# Allegro board C112P01-T2-ZDS-A03.brd (continued)
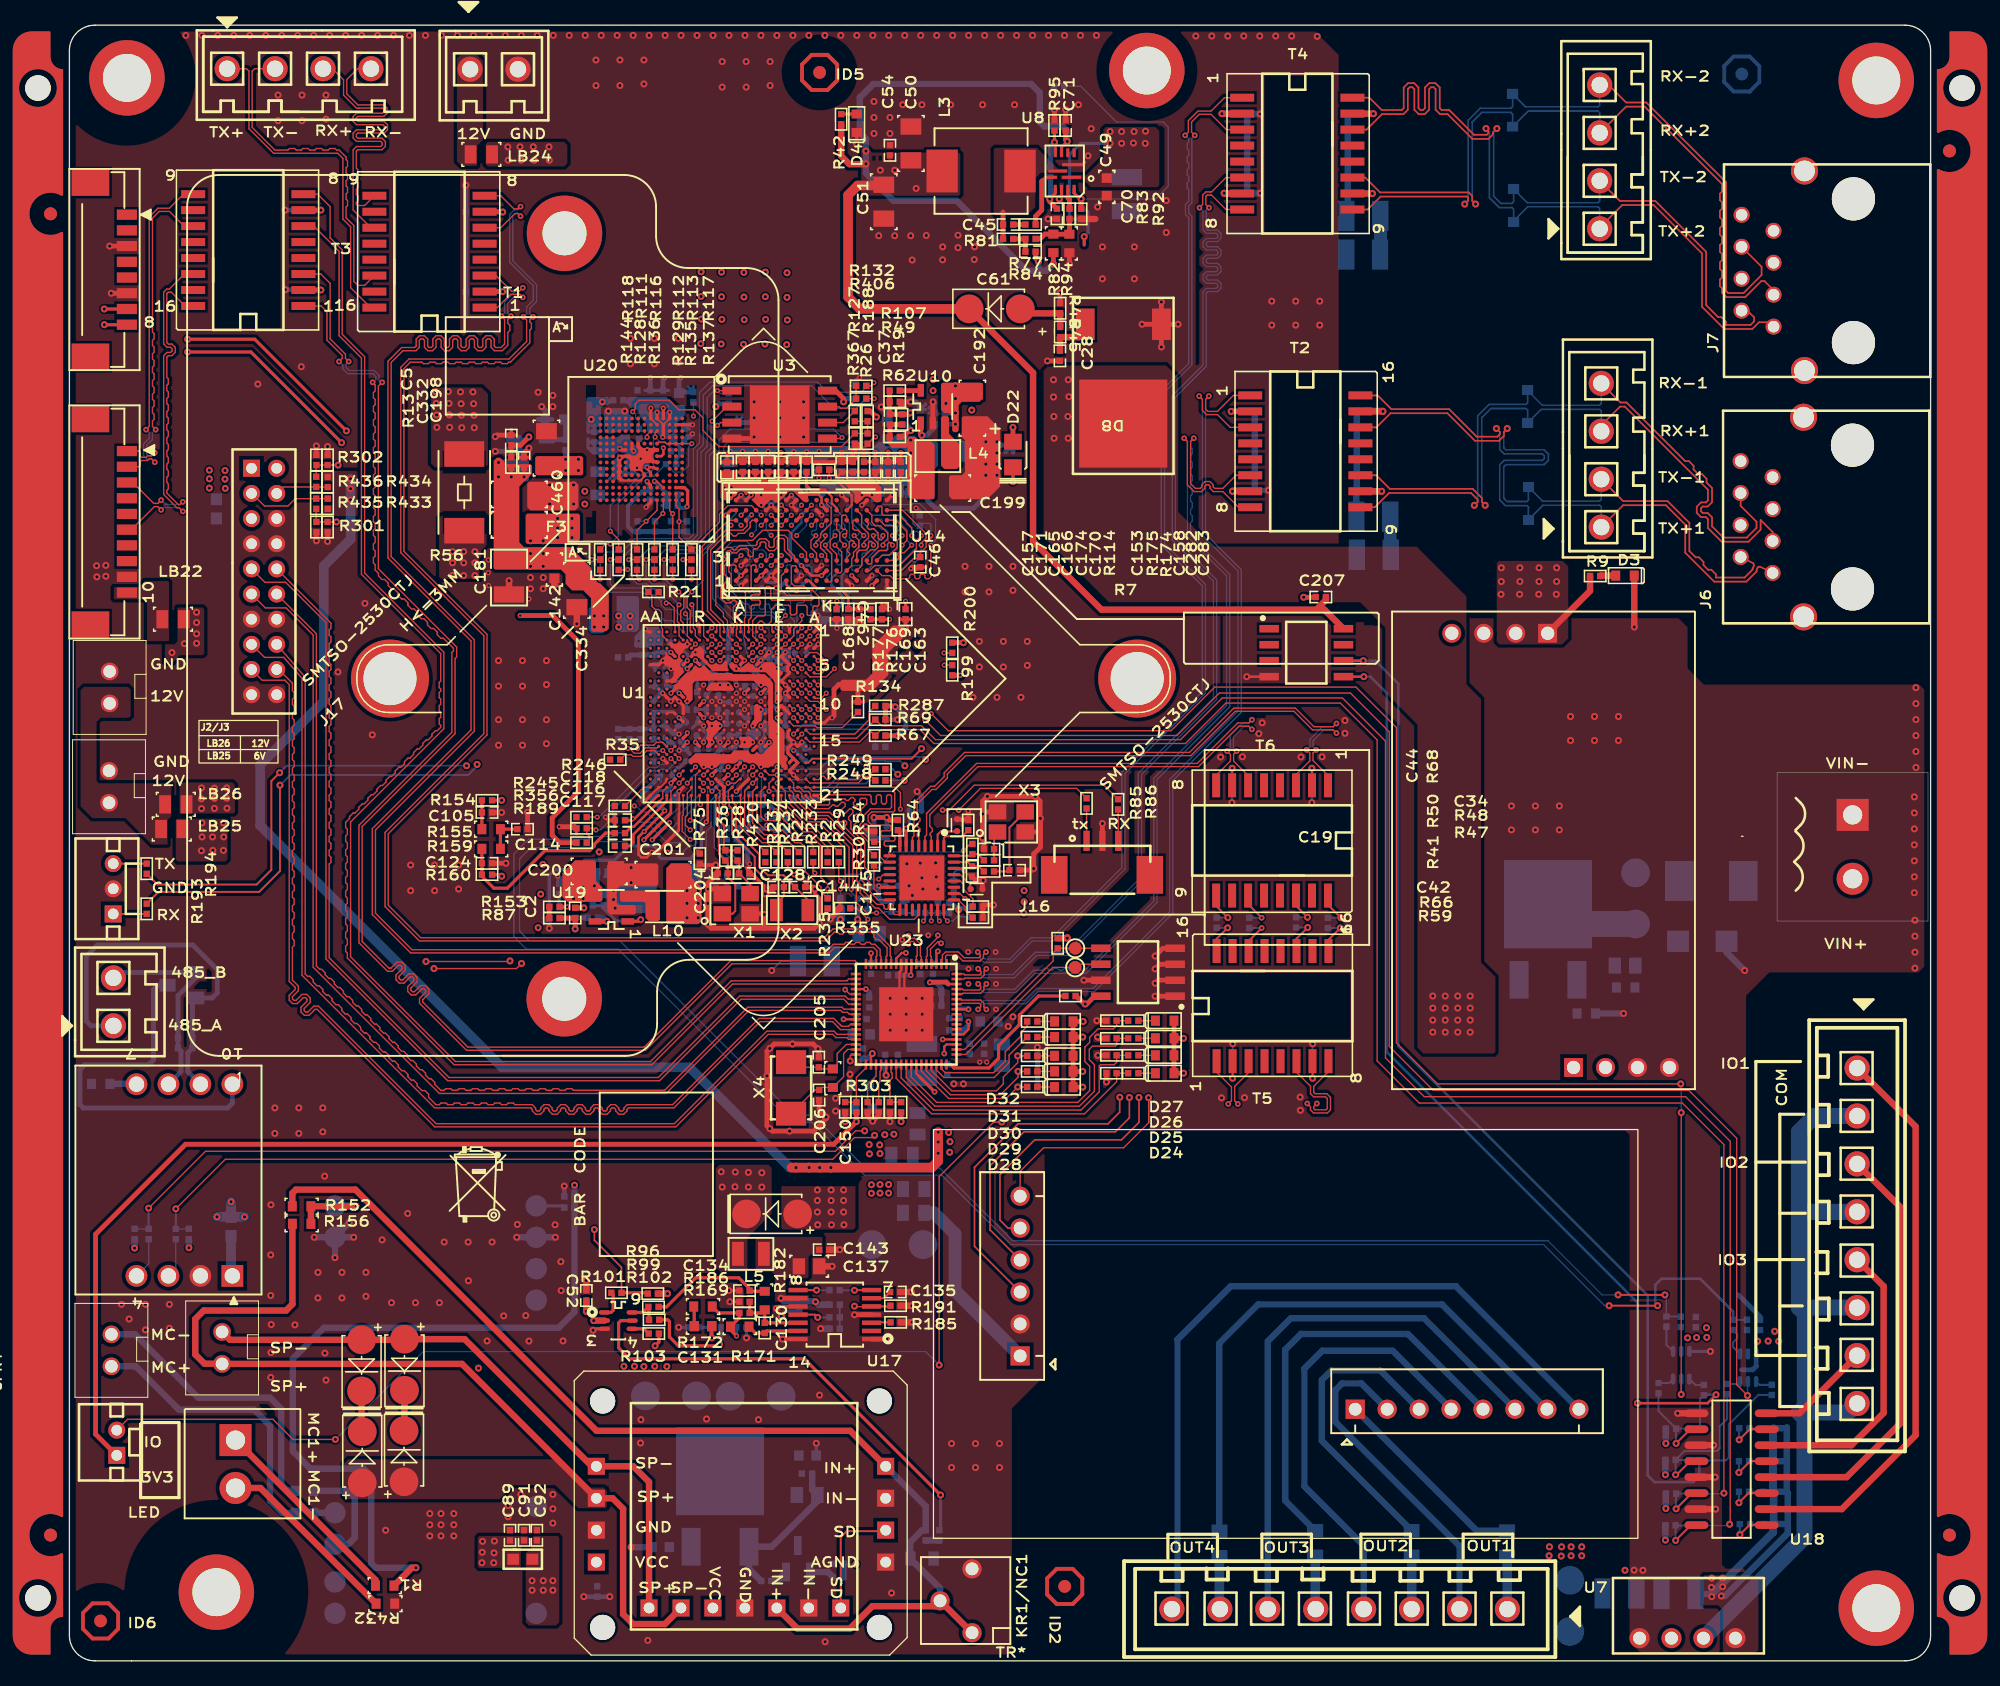
[diagram p0: board, top side]
## Routing (per net, layer and track width the routed paths; a pad name or vN(x,y) marks a point on that pad's centre or on a via; arc(x,y) is an arc through that point) (continued)
DDR3_DQ3: length 16
  TOP w0.102: U1.N3 v3(51.72,80.83) ; U14.F8 v3(56.59,91.89)
  GND04 w0.102: v3(51.72,80.83) 52.2,81.31 52.2,90.43 52.42,90.65 54.28,90.65 54.62,91 54.62,91.24 54.88,91.5 56.2,91.5 v3(56.59,91.89)
DDR3_DQ4: length 17
  TOP w0.102: U14.H3 58.59,88.12 57.43,89.29 57.43,89.59 57.13,89.89 55.11,89.89 54.3,89.08 52.31,89.08 51.38,88.16 51.38,83.94 51.99,83.33 51.99,83.02 52.31,82.7 52.31,82.04 52.37,81.98 52.37,81.48 U1.L2
DDR3_DQ5: length 21.2
  TOP w0.102: v3(51.07,79.53) U1.P4 ; U14.H8 v3(58.99,91.88)
  ART03 w0.102: v3(51.07,79.53) 50.37,80.45 50.37,88.44 51.38,91.31 51.89,91.82 52.05,91.86 53.57,91.86 54.79,91.49 58.46,91.49 v3(58.99,91.88)
DDR3_DQ6: length 14.9
  TOP w0.102: U1.H1 54.59,81.86 54.59,82.35 54.91,82.67 55.05,82.67 55.3,82.41 55.57,82.41 55.8,82.65 55.8,83.6 56.13,83.93 57.17,83.93 57.3,83.8 57.3,83.27 57.4,83.17 57.66,83.17 57.81,83.32 57.81,83.85 57.89,83.93 58.52,83.93 58.65,83.8 58.65,83.19 58.72,83.12 59,83.12 59.11,83.22 59.11,83.75 59.21,83.85 59.49,83.85 59.59,83.95 59.59,84.61 59.08,85.12 58.72,85.12 58.38,85.46 57.63,85.46 57.39,85.7 57.39,86.97 57.5,87.07 57.71,87.07 57.79,86.99 U14.G2
DDR3_DQ7: length 19.9
  TOP w0.102: U14.H7 v3(58.99,91.09) ; U1.P3 50.74,80.51 v3(51.07,80.83)
  GND04 w0.102: v3(51.07,80.83) 51.69,81.45 51.69,91.13 52.08,91.52 54.79,92.28 58.34,92.28 58.6,92.03 58.6,91.75 v3(58.99,91.09)
DDR3_DQ8: length 12
  TOP w0.102: v3(51.07,81.48) 51.39,81.16 51.39,81.16 U1.N2 ; U14.D7 v3(54.99,90.29)
  ART03 w0.102: v3(54.99,90.29) 54.03,90.29 51.54,87.79 51.54,81.95 v3(51.07,81.48)
DDR3_DQ9: length 10.1
  TOP w0.102: U14.C3 v3(54.99,87.89) ; v3(53.02,80.83) 53.34,80.51 U1.K3
  ART03 w0.102: v3(54.99,87.89) 54.57,87.46 53.16,87.46 52.98,87.28 52.98,84.38 53.39,83.98 53.39,81.59 53.02,81.21 v3(53.02,80.83)
DDR3_DQ10: length 14.4
  TOP w0.102: U14.C8 54.23,91.85 52.35,91.85 51.68,91.18 51.68,90.54 49.91,88.77 49.91,83.05 50.42,82.54 50.42,81.48 50.74,81.16 50.74,81.16 U1.P2
DDR3_DQ11: length 8.6
  TOP w0.102: U1.J1 53.99,82.75 54.2,82.96 54.2,83.84 54.3,83.94 54.81,83.94 54.91,84.04 54.91,84.24 54.81,84.34 54.25,84.34 54.15,84.45 54.15,84.65 54.25,84.75 54.81,84.75 54.91,84.85 54.91,85.05 54.81,85.16 54.3,85.16 54.19,85.27 54.19,87.02 54.3,87.13 54.51,87.13 54.59,87.04 U14.C2
DDR3_DQ12: length 10.8
  TOP w0.102: U14.A7 52.4,90.69 50.32,88.61 50.32,83.44 51.46,82.3 51.46,81.87 U1.N1
DDR3_DQ13: length 8.3
  TOP w0.102: U1.J2 53.99,81.16 53.67,81.48 53.67,82.91 53.75,82.98 53.75,84.92 53.64,85.02 53.34,85.02 53.07,85.29 52.92,85.29 52.77,85.15 52.63,85.15 52.47,85.3 52.47,85.45 52.6,85.58 52.6,86.41 52.43,86.59 52.43,87 52.55,87.13 52.91,87.13 52.99,87.04 U14.A2
DDR3_DQ14: length 10.9
  TOP w0.102: v3(51.07,82.13) 50.74,81.81 U1.P1 ; U14.B8 v3(53.39,91.09)
  ART03 w0.102: v3(53.39,91.09) 53.01,90.7 53.01,89.85 51.21,88.04 51.21,88.03 51.13,87.96 51.13,82.19 v3(51.07,82.13)
DDR3_DQ15: length 9.8
  TOP w0.102: U14.A3 v3(53.39,87.89) ; U1.L3 v3(53.02,80.18)
  GND04 w0.102: v3(53.39,87.89) 53.8,87.48 53.8,85.3 52.83,84.33 52.83,82.98 53.09,82.73 53.09,81.61 52.63,81.15 52.63,80.57 v3(53.02,80.18)
DDR3_DQ16: length 12.1
  TOP w0.102: U1.F4 55.94,79.86 U1.F4 ; U1.F4 v3(56.27,80.18)
  GND04 w0.102: v3(56.27,80.18) 55.7,80.75 55.7,82.14 56.44,82.88 56.44,83.24 56.62,83.41 56.62,86.37 56.21,86.77 56.21,89.87 v3(55.79,90.29)
  BOTTOM w0.102: U15.E3 v3(55.79,90.29)
DDR3_DQ17: length 7.3
  TOP w0.102: v3(56.27,81.48) 55.94,81.16 U1.F2
  GND04 w0.102: v3(56.59,87.09) 56.59,86.77 56.97,86.39 56.97,84.61 57.3,84.28 57.3,82.93 56.69,82.32 56.69,81.91 v3(56.27,81.48)
  BOTTOM w0.102: U15.F7 v3(56.59,87.09)
DDR3_DQ18: length 12
  TOP w0.102: U1.D3 57.24,80.51 v3(57.57,80.83)
  GND04 w0.102: v3(57.57,80.83) 57.78,81.05 57.78,84.56 57.33,85.02 57.33,87.91 56.77,88.47 56.77,89.9 56.97,90.1 56.97,90.71 v3(56.59,91.09)
  BOTTOM w0.102: U15.F2 v3(56.59,91.09)
DDR3_DQ19: length 9.4
  TOP w0.102: U1.C3 v3(58.22,80.83)
  BOTTOM w0.102: v3(58.22,80.83) 57.84,81.22 57.84,84.03 57.94,84.13 58.32,84.13 58.42,84.23 58.42,84.56 58.32,84.66 57.38,84.66 57.07,84.97 57.07,85.3 57.39,85.62 57.39,87.06 57.33,87.13 57.09,87.13 56.99,87.03 U15.F8
DDR3_DQ20: length 10.8
  TOP w0.102: U1.B2 58.54,81.16 v3(58.87,81.48)
  GND04 w0.102: v3(57.81,89.47) 58.6,88.68 58.6,87.71 59.23,87.08 59.23,83.4 59.11,83.27 59.11,82.52 59.25,82.38 59.25,81.86 v3(58.87,81.48)
  BOTTOM w0.102: U15.H3 58.59,90.25 v3(57.81,89.47)
DDR3_DQ21: length 7.6
  TOP w0.102: v3(59.52,81.48) 59.31,81.27 59.2,81.16 U1.A2
  BOTTOM w0.102: v3(59.52,81.48) 59.52,82.02 58.95,82.59 58.95,83.38 59.05,83.48 59.36,83.48 59.46,83.58 59.46,83.78 59.36,83.89 59.05,83.89 58.95,83.99 58.95,84.93 59.05,85.03 59.33,85.03 59.44,85.13 59.44,85.33 59.33,85.44 59.05,85.44 58.99,85.5 58.99,86.05 58.59,86.45 58.59,86.69 U15.H8
DDR3_DQ22: length 12.5
  TOP w0.102: v3(58.22,83.11) 58.22,82.68 57.57,82.03 57.57,81.48 57.45,81.36 57.24,81.16 U1.D2
  GND04 w0.102: v3(58.19,91.89) 57.78,91.48 57.78,90.12 57.25,89.59 57.25,89.11 57.68,88.68 57.68,85.81 58.22,85.27 v3(58.22,83.11)
  BOTTOM w0.102: U15.G2 v3(58.19,91.89)
DDR3_DQ23: length 7.3
  TOP w0.102: U1.B1 v3(58.87,82.13)
  GND04 w0.102: v3(58.2,87.88) 58.2,87.6 58.6,87.2 58.6,85.53 58.8,85.33 58.8,85.07 58.65,84.92 58.65,84.67 58.8,84.52 58.8,84.26 58.65,84.11 58.65,82.35 v3(58.87,82.13)
  BOTTOM w0.102: U15.H7 v3(58.2,87.88)
DDR3_DQ24: length 14.2
  TOP w0.102: U1.H3 54.64,80.51 v3(54.97,80.83)
  BOTTOM w0.102: v3(54.97,80.83) 54.56,81.24 54.56,81.61 51.56,84.61 51.56,87.89 52.68,89.01 53.85,89.01 54.53,88.32 55.14,88.32 55.39,88.07 U15.D7
DDR3_DQ25: length 11
  TOP w0.102: U1.J3 53.99,80.51 v3(54.32,80.83)
  GND04 w0.102: v3(54.32,80.83) 53.92,81.23 53.92,84.26 54.51,84.84 54.51,89.24 v3(54.22,89.53)
  BOTTOM w0.102: U15.C3 54.59,89.9 v3(54.22,89.53)
DDR3_DQ26: length 9.5
  TOP w0.102: v3(54.97,82.13) 54.97,82.13 U1.G1
  GND04 w0.102: v3(54.99,87.09) 54.99,86.85 55.4,86.44 55.4,85.5 55.3,85.4 55.02,85.4 54.94,85.32 54.94,85.1 55.04,84.99 55.3,84.99 55.4,84.89 55.4,84.69 55.3,84.59 54.97,84.59 54.86,84.48 54.86,83.84 54.97,83.74 55.48,83.74 55.57,83.64 55.57,83.46 55.47,83.36 54.43,83.36 54.33,83.25 54.33,83.05 54.43,82.95 54.87,82.95 54.97,82.85 v3(54.97,82.13)
  BOTTOM w0.102: U15.C8 v3(54.99,87.09)
DDR3_DQ27: length 12
  TOP w0.102: U1.G2 v3(54.97,81.48)
  GND04 w0.102: v3(54.99,91.09) 55.36,90.72 55.36,86.96 55.65,86.67 55.96,86.67 56.21,86.42 56.21,85.93 55.8,85.53 55.8,84.92 56.01,84.71 56.01,83.31 55.36,82.67 55.36,81.88 v3(54.97,81.48)
  BOTTOM w0.102: U15.C2 v3(54.99,91.09)
DDR3_DQ28: length 11.6
  TOP w0.102: v3(56.92,83.11) 56.59,82.78 56.37,82.78 55.85,82.27 55.85,81.9 U1.F1
  BOTTOM w0.102: U15.A7 52.63,87.12 52.63,85.06 53.67,84.02 53.94,84.02 54.05,83.92 54.05,83.72 54.15,83.62 54.35,83.62 54.45,83.72 54.45,83.92 54.55,84.02 54.76,84.02 54.86,83.92 54.86,83.72 54.96,83.62 55.16,83.62 55.26,83.72 55.26,83.92 55.37,84.02 55.57,84.02 55.67,83.92 55.67,83.72 55.77,83.62 55.98,83.62 56.08,83.72 56.08,83.92 56.18,84.02 56.51,84.02 56.92,83.62 v3(56.92,83.11)
DDR3_DQ29: length 14.3
  TOP w0.102: v3(54.32,79.53) U1.H4
  BOTTOM w0.102: v3(54.32,79.53) 53.9,79.95 53.43,82.16 51.16,84.44 51.16,88.04 52.17,89.05 52.17,90.4 52.99,91.23 U15.A2
DDR3_DQ30: length 11.4
  TOP w0.102: v3(56.92,80.83) 56.59,80.51 U1.E3
  BOTTOM w0.102: U15.B8 53.79,87.04 53.88,87.13 54.1,87.13 54.19,87.04 54.19,85.13 54.46,84.87 54.77,84.87 54.87,84.97 54.87,85.34 54.97,85.44 55.17,85.44 55.28,85.34 55.28,84.97 55.38,84.87 56.69,84.87 57.33,84.23 57.33,82.98 57.63,82.68 57.63,81.55 v3(56.92,80.83)
DDR3_DQ31: length 12
  TOP w0.102: U1.J4 53.99,79.86 U1.J4 ; U1.J4 v3(54.32,80.18)
  GND04 w0.102: v3(54.32,80.18) 53.52,80.98 53.52,84.44 54.1,85.02 54.1,88.78 53.39,89.49 v3(53.39,90.29)
  BOTTOM w0.102: U15.A3 v3(53.39,90.29)
DDR3_DQS0_N: length 18.1
  TOP w0.102: U1.K2 53.34,81.16 53.02,81.48 53.02,81.98 53.08,82.04 53.08,82.49 52.78,82.79 52.78,83.77 53.05,84.04 53.05,84.18 52.91,84.33 52.77,84.33 52.55,84.11 52.19,84.11 51.79,84.51 51.79,87.15 52.16,87.53 52.16,87.67 51.96,87.88 51.96,88.23 52.25,88.53 52.6,88.53 52.79,88.34 52.93,88.34 53.26,88.68 54.55,88.68 54.66,88.78 54.66,88.96 54.9,89.21 55.36,89.21 55.61,88.96 55.61,88.63 55.71,88.52 55.92,88.52 56.02,88.63 56.02,89.19 56.32,89.49 56.85,89.49 57.1,89.24 57.1,88.38 57.64,87.84 57.64,87.63 U14.G3
DDR3_DQS0_P: length 18.1
  TOP w0.102: U1.K1 53.34,82.62 53.03,82.93 53.03,83.66 53.31,83.93 53.31,84.29 53.01,84.58 52.66,84.58 52.44,84.36 52.3,84.36 52.04,84.62 52.04,85.63 52.3,85.88 52.3,86.16 52.04,86.42 52.04,87.05 52.42,87.42 52.42,87.78 52.21,87.99 52.21,88.13 52.36,88.27 52.5,88.27 52.68,88.09 53.04,88.09 53.37,88.42 53.86,88.42 53.96,88.32 53.96,87.89 54.07,87.79 54.27,87.79 54.37,87.89 54.37,88.34 54.46,88.42 54.66,88.42 54.91,88.67 54.91,88.86 55.01,88.96 55.26,88.96 55.36,88.85 55.36,88.52 55.61,88.27 56.02,88.27 56.27,88.52 56.27,89.08 56.42,89.24 56.74,89.24 56.84,89.13 56.84,88.28 57.39,87.73 57.39,87.51 57.29,87.41 57.07,87.41 U14.F3
DDR3_DQS1_N: length 12.2
  TOP w0.102: U1.M2 52.04,81.16 51.83,81.37 51.83,81.37 51.72,81.48 51.72,82.47 50.72,83.46 50.72,88.44 52.18,89.9 53.54,89.9 53.87,90.22 53.87,90.61 U14.B7
DDR3_DQS1_P: length 12
  TOP w0.102: U1.M1 52.04,82.11 51.99,82.16 51.99,82.55 50.98,83.57 50.98,88.33 52.29,89.64 52.57,89.64 52.78,89.43 52.98,89.43 53.19,89.64 53.64,89.64 54.12,90.12 54.12,90.5 54.13,90.51 54.13,90.53 54.28,90.69 U14.C7
DDR3_DQS2_N: length 10.8
  TOP w0.102: U1.C2 57.89,81.16 v3(58.22,81.48)
  ART03 w0.102: v3(57.39,90.29) 57.39,90.21 57.05,89.87 57.05,88.42 57.45,88.02 57.45,85.9 57.05,85.5 57.05,83.52 57.43,83.14 57.43,82.76 57.8,82.39 57.8,81.9 v3(58.22,81.48)
  BOTTOM w0.102: U15.G3 v3(57.39,90.29)
DDR3_DQS2_P: length 10.9
  TOP w0.102: U1.C1 v3(58.22,82.13)
  ART03 w0.102: v3(57.39,91.09) 57.78,90.38 57.78,90.1 57.4,89.72 57.4,88.57 57.81,88.16 57.81,85.76 57.4,85.35 57.4,83.67 57.78,83.29 57.78,82.91 58.22,82.47 v3(58.22,82.13)
  BOTTOM w0.102: U15.F3 v3(57.39,91.08)
DDR3_DQS3_N: length 12.9
  TOP w0.102: v3(56.92,81.48) 56.59,81.16 U1.E2
  BOTTOM w0.102: U15.B7 53.96,87.49 54.1,87.62 54.1,87.91 53.66,88.35 52.94,88.35 52.22,87.63 52.22,84.86 53.69,83.38 55.91,83.38 56.69,82.6 56.69,81.71 v3(56.92,81.48)
DDR3_DQS3_P: length 13
  TOP w0.102: U1.E1 56.27,82.13 v3(56.27,82.13)
  BOTTOM w0.102: v3(56.27,82.13) 56.44,82.3 56.44,82.49 56.44,82.5 55.8,83.13 53.59,83.13 51.97,84.75 51.97,87.74 52.76,88.53 52.83,88.6 53.77,88.6 54.36,88.01 54.36,87.59 54.46,87.49 U15.C7
DDR3_ODT: length 19.9
  TOP w0.102: v3(60.1,88.7) 60.1,88.52 60.59,88.03 60.59,85.88 60.5,85.79 60.29,85.79 U14.K1 ; v3(60.13,79.49) 59.46,80.16 58.85,80.16 58.54,79.86 U1.B4
  GND04 w0.102: v3(60.1,88.7) 60.14,88.7 61.01,87.84 61.01,85.02 61.49,84.54 61.49,81.36 60.98,80.85 60.98,80.29 60.19,79.49 v3(60.13,79.49)
  BOTTOM w0.102: U15.K1 60.19,92.29 60.43,92.05 60.59,91.89 60.59,90.68 60.58,90.67 60.58,90.43 60.48,90.33 60.48,89.08 v3(60.1,88.7)
DDR3_RAS_N: length 17.3
  TOP w0.102: v3(59.34,89.47) 58.95,89.08 58.95,88.5 59.39,88.06 U14.J3 ; U1.A6 59.27,78.49 59.77,78.49 v3(60.17,78.88)
  ART03 w0.102: v3(59.34,89.47) 59.34,89.23 59.71,88.85 59.71,88.55 59.94,88.32 60.2,88.32 60.43,88.09 60.43,84.18 60.85,83.76 60.85,83.16 61.39,82.62 61.39,81.5 60.78,80.89 60.78,79.5 v3(60.17,78.88)
  BOTTOM w0.102: v3(59.34,89.47) 59.11,89.47 59,89.57 59,89.77 59.11,89.87 59.28,89.87 59.39,89.98 U15.J3
DDR3_RESET_N: length 35.4
  TOP w0.102: U14.T2 66.16,86.69 67.12,87.65 67.53,87.65 C46.1 67.64,88.09 68.11,88.56 68.11,88.87 68.48,89.24 v3(68.48,89.47) ; v3(57.57,74.98) 57.89,74.66 U1.C12
  GND04 w0.102: v3(68.48,89.47) 68.85,89.1 68.85,88.55 68.81,88.51 68.81,79.83 65.2,76.23 65.2,75.56 63.65,74.02 61.54,74.02 61.26,74.29 58.26,74.29 v3(57.57,74.98)
  BOTTOM w0.102: v3(68.48,89.47) 68.48,90.35 68.4,90.43 67.77,90.43 C281.1 67.23,90.25 67.06,90.43 67.06,91.37 66.94,91.49 U15.T2
DDR3_WE_N: length 20.9
  TOP w0.102: U14.L3 60.99,87.49 60.99,87.84 60.99,87.84 60.99,87.98 60.48,88.5 60.48,89.08 v3(60.86,89.47) ; U1.C5 v3(58.22,78.88)
  GND04 w0.102: v3(58.22,78.88) 58.72,78.38 59.83,78.38 60.06,78.16 60.98,78.16 61.72,78.89 61.72,80.21 62.71,81.2 62.71,82.4 62.36,82.75 62.36,84.74 61.82,85.27 61.82,87.98 61.23,88.58 61.23,89.1 v3(60.86,89.47)
  BOTTOM w0.102: U15.L3 60.99,90.69 60.88,90.69 60.78,90.58 60.78,90.43 60.88,90.33 61.18,90.33 61.28,90.23 61.28,90.02 61.18,89.92 60.83,89.92 60.73,89.82 60.73,89.6 v3(60.86,89.47)
DDR3_ZQ: length 6.2
  TOP w0.102: R134.2 61.44,74.19 59.44,74.19 59.3,74.33 57.57,74.33 57.24,74.66 U1.D12
DDVDD: length 3.4
  TOP w0.178: U23.54 69.72,49.01 69.55,48.83 v2(69.55,48.29) ; v1(63.83,48.29) 63.72,48.18 U23.36
  BOTTOM w0.381: v1(63.83,48.29) 63.42,47.88 C182.1
EMMC_3V3: length 4.9
  TOP w0.203: U20.F5 46.6,94.78 46.48,94.89 v3(45.92,94.89) 45.92,94.77 46.22,94.47 U20.E6
  TOP w0.254: U20.J10 43.88,96.28 43.76,96.39 v3(43.74,96.39) ; v3(44.86,96.19) 44.72,96.33 U20.K9
  BOTTOM w0.254: 41.73,96.47 R108.1 ; R108.1 42.16,96.9 ; R108.1 41.3,96.9 ; 44.17,94.82 C58.1 44.6,94.39
EMMC_CLK: length 1.3
  TOP w0.102: v3(45.92,97.28) 45.92,97.49 U20.M6
  BOTTOM w0.102: R110.2 45.8,97.16 v3(45.92,97.28)
EMMC_CLK/SFC_CLK/SFC_BOOT_MODE: length 25.4
  TOP w0.102: v3(44.78,99.31) 44.78,99.34 44.98,99.54 44.98,99.92 45.29,100.23 47.7,100.23 48.46,99.47 49.73,99.47 50.37,98.83 50.37,97.82 51.64,96.55 61.39,96.55 R367.1 R26.1 R188.2 R127.1
  BOTTOM w0.102: R110.1 45.29,98.53 45.01,98.81 45.01,99.11 44.81,99.31 v3(44.78,99.31)
EMMC_CMD: length 13.4
  TOP w0.102: U20.M5 46.56,97.62 v3(46.56,97.31) ; R111.2 43.66,89.15 v3(43,89.81)
  BOTTOM w0.102: R145.2 47.83,96.42 47.4,96.85 47.02,96.85 v3(46.56,97.31) 46.43,97.18 46.43,94.77 46.13,94.46 45.62,94.46 43,91.85 v3(43,89.81)
EMMC_CMD/SFC_HOLD_IO3: length 14.5
  TOP w0.102: v3(49.48,83.97) 49.61,83.85 49.61,82.11 49.76,81.96 49.76,81.49 50.09,81.16 U1.R2 ; R128.1 v3(43,87.55)
  BOTTOM w0.102: v3(49.48,83.97) 49.48,83.08 49.23,82.83 48.84,82.83 48.08,83.59 47.42,83.59 47.05,83.96 47.05,84.26 46.58,84.73 46.3,84.73 45.75,85.29 43.33,85.29 43,85.62 v3(43,87.55)
EMMC_DATA0: length 4.7
  TOP w0.102: U20.A3 47.72,91.45 v3(47.96,91.21) R113.2
  BOTTOM w0.102: R97.2 47.83,91.08 v3(47.96,91.21)
EMMC_DATA0/SFC_WP_IO2: length 7.3
  TOP w0.102: v3(48.44,84.99) 48.84,84.58 48.84,83.72 48.59,83.46 48.59,82.74 48.79,82.54 U1.U1 ; R135.1 v3(47.27,87.55)
  BOTTOM w0.102: v3(47.27,87.55) 47.27,86.06 48.34,84.99 v3(48.44,84.99)
EMMC_DATA1: length 5.1
  TOP w0.102: U20.A4 47.22,91.26 v3(47.18,91.22) 46.51,90.55 R112.2
  BOTTOM w0.102: R100.2 v3(47.18,91.22)
EMMC_DATA1/SFC_MISO_IO1: length 9
  TOP w0.102: R112.1 v3(45.85,87.55) ; v3(48.46,83.97) 48.44,83.97 48.34,83.87 48.34,82.62 48.46,82.49 48.46,81.49 48.79,81.16 U1.U2
  BOTTOM w0.102: v3(45.85,87.55) 45.85,86.08 46.3,85.62 47.35,85.62 47.83,85.14 47.83,84.61 v3(48.46,83.97)
EMMC_DATA2: length 5.3
  TOP w0.102: U20.A5 46.72,91.47 v3(45.85,90.6) 45.12,89.88 R116.2
  BOTTOM w0.102: R104.2 v3(45.85,90.6)
EMMC_DATA2/SFC_CSN: length 8.6
  TOP w0.102: v3(47.45,84.1) 47.7,84.1 48.08,83.72 48.08,82.36 48.14,82.3 U1.V1 ; R136.1 v3(44.46,87.55)
  BOTTOM w0.102: v3(47.45,84.1) 47.45,84.28 46.48,85.24 46.28,85.24 45.9,85.62 45.16,85.62 44.75,86.03 44.75,87.26 v3(44.46,87.55)
EMMC_DATA3: length 5.6
  TOP w0.102: R117.2 48.46,89.34 v3(48.46,90.58) 48.46,91.59 48.22,91.84 U20.B2
  BOTTOM w0.102: R105.2 48.49,90.6 v3(48.46,90.58)
EMMC_DATA3/SFC_MOSI_IO0: length 7.3
  TOP w0.102: v3(48.97,83.25) 49.12,83.1 49.12,81.48 49.44,81.16 U1.T2 ; R137.1 v3(48.78,87.55)
  BOTTOM w0.102: v3(48.97,83.25) 48.97,87.36 v3(48.78,87.55)
EMMC_RST_N: length 16.6
  TOP w0.102: v3(49.48,96.77) 47.47,96.77 47.35,96.9 46.84,96.9 U20.K5 ; R118.2 42.63,88.8 v3(43,88.8)
  BOTTOM w0.102: v3(49.48,96.77) 49.23,96.52 49.23,95.02 48.72,94.51 48.06,94.51 R4.2 46.43,94.16 45.75,94.16 43.64,92.05 43.64,89.43 v3(43,88.8)
EMMC_RST_N/SYS_RSTN_OUT: length 13.5
  TOP w0.102: U1.T3 49.44,80.51 v3(49.77,80.83) ; R118.1 v3(41.54,87.55)
  BOTTOM w0.102: v3(41.54,87.55) 41.54,86.02 42.6,84.96 45.59,84.96 46.3,84.25 46.3,83.85 46.56,83.59 46.86,83.59 47.08,83.38 47.08,82.95 47.32,82.7 47.9,82.7 v3(49.77,80.83)
EMMC_VCCQ: length 22.7
  TOP w0.127: U20.P3 U20.N4 U20.P5
  TOP w0.254: v3(47.17,97.28) 47.22,97.33 U20.M4 U20.N4 ; U20.P5 v3(46.72,99.26) ; v3(45.92,93.78) 45.92,93.76 46.18,93.5 46.18,93.32 U20.C6 ; v3(47.72,99.26) U20.P3
  ART03 w0.381: v3(45.92,93.78) 45.92,94.01 46.56,94.64 46.56,96.55 47.17,97.16 v3(47.17,97.28)
  BOTTOM w0.254: R145.1 48.64,96.37 48.06,96.95 C62.1 ; 44.48,100.01 R109.1 44.48,100.23 ; 47.62,97.94 C63.1 ; C63.1 48.06,97.51 ; C63.1 48.06,98.49 47.79,98.76 47.72,98.76
  BOTTOM w0.305: v3(45.92,93.78) 45.92,93.62 46.18,93.37 C64.1 46.02,92.99 45.54,92.99 44.4,91.85 44.4,90.2 44.81,89.79 R104.1 ; R145.1 48.64,95.96 48.23,95.55 R4.1
  BOTTOM w0.381: R105.1 R97.1 R100.1 R104.1
EPHY_CLK: length 13.3
  TOP w0.102: R50.1 71.6,64.95 v3(71.07,64.41) ; R29.2 61.16,62.26 61.29,62.13 v3(61.29,62)
  BOTTOM w0.102: v3(61.29,62) 61.82,62.53 63.75,62.53 65.53,64.31 70.97,64.31 v3(71.07,64.41)
EPHY_RSTN: length 3.5
  TOP w0.102: U6.21 68.02,58.95 v3(67.89,58.83)
  BOTTOM w0.152: v3(67.89,58.83) 68.05,58.98 R53.2 C47.1 R63.1
EPHY_RSTN/SFC_DEVICE_MODE: length 16.6
  TOP w0.102: v3(64.16,59.46) 63.4,59.46 62.56,60.3 62.56,61.59 62.28,61.87 62.28,64.82 60.16,66.94 58.86,66.94 57.24,68.56 U1.D21
  BOTTOM w0.102: R354.1 R196.2 64.82,59.56 64.72,59.46 v3(64.16,59.46)
  BOTTOM w0.152: R53.1 66.34,59.46 R354.1
ETH_25M_CKXTAL1: length 6.4
  TOP w0.152: X3.3 74.73,66.25 C19.2 74.63,62.76 R47.1
ETH_25M_CKXTAL2: length 2.4
  TOP w0.152: R48.1 C34.2 73.51,65.63 X3.1
F_POWER_OFF: length 3.3
  TOP w0.102: U23.37 64.12,46.49 63.45,45.82 R295.1
FX_DUPLEX6: length 9.8
  TOP w0.102: R280.1 76.14,50.46 75.64,49.96 75.64,49.68 74.4,48.43 74.4,47.69 73.47,46.76 69.62,46.76 69.32,47.06 U23.50
FX_DUPLEX7: length 9.6
  TOP w0.102: R279.1 74.7,48.16 74.7,47.57 73.52,46.38 69.52,46.38 68.92,46.98 U23.49
GPIO5_6: length 7.7
  TOP w0.152: U18.10 128.85,18.41 v1(127.72,17.28)
  BOTTOM w0.152: R222.2 v1(127.72,17.28) ; R222.2 126.33,19.86 R11.1 ; R222.2 R242.1
GPIO5_7: length 12.8
  TOP w0.152: v1(127.69,14.8) 127.76,14.8 128.84,15.88 U18.12
  BOTTOM w0.152: R221.2 v1(127.69,14.8) ; R221.2 R232.1 ; R221.2 128.4,16.69 130.98,16.69 131.19,16.9 131.19,18.66 131.78,19.24 R17.1
GPIO9_5: length 137.4
  TOP w0.152: U1.B17 58.73,71.41 59.05,71.73 66.95,71.73 67.74,72.52 67.74,72.53 v1(67.74,72.53)
  ART03 w0.152: v1(62.52,7.68) 63.73,6.48 69.32,6.48 105.53,42.69 105.53,70.74 103.11,73.16 68.39,73.16 67.74,72.52 67.74,72.53 v1(67.74,72.53)
  BOTTOM w0.152: v1(62.52,7.68) 62.5,7.66 61.61,7.66 61.54,7.72
  BOTTOM w0.508: 61.54,7.72 61.52,7.7 R297.2
HI_PRI[0]: length 24.8
  TOP w0.102: R275.1 R283.2 83.25,50.51 82.99,50.25 81.78,50.25 81.1,49.57 81.1,49.17 80.72,48.79 80.72,47.65 81.1,47.27 81.1,45.34 80.16,44.4 68.94,44.4 66.92,46.42 U23.44
HI_PRI[1]: length 24.7
  TOP w0.102: U23.43 66.52,46.38 68.8,44.1 80.29,44.1 81.48,45.29 81.48,47.4 81.08,47.8 81.08,48.62 81.33,48.87 83.15,48.87 83.25,48.98 R285.2 R274.1
HI_PRI[2]: length 23.5
  TOP w0.102: U23.42 66.12,46.35 68.68,43.79 80.42,43.79 81.86,45.24 81.86,47.29 81.97,47.4 83.05,47.4 83.25,47.59 R286.2 R273.1
I2C2_SCL: length 148.8
  TOP w0.102: v3(68.01,74.82) 69.25,73.57 88.04,73.57 91.41,76.95 101.83,76.95 104.93,73.85 104.93,48.85 108.41,45.36 128.73,45.36 132.54,41.55 132.54,21.96 v1(133.4,21.09) ; v3(50.42,69.78) 50.42,69.78 U1.R19 ; R200.1 v3(69.52,80.14)
  ART03 w0.102: v3(69.52,80.14) 69.14,79.76 69.14,76.83 68.01,75.7 v3(68.01,74.82) 68.01,74.69 63.43,70.11 61.54,70.11 60.03,68.59 60.03,68.58 59.82,68.37 59.8,68.37 57.52,66.08 52.83,66.08 49.96,68.96 49.96,69.49 50.25,69.78 v3(50.42,69.78)
  BOTTOM w0.102: U21.5 133.4,22.17 v1(133.4,21.09)
I2C2_SCL_A: length 91.6
  TOP w0.203: U28.6 v1(102.86,79.52)
  BOTTOM w0.152: R232.2 129.6,15.94 131.69,15.94 131.91,16.17 131.91,18.81 134.24,21.13 R34.1
  BOTTOM w0.203: R232.2 129.57,14.68 129.1,14.21 126,14.21 125.46,14.74 125.46,29.07 105.65,48.89 105.65,77.68 103.81,79.52 v1(102.86,79.52)
I2C2_SDA: length 148.4
  TOP w0.102: v1(128.09,45.87) 108.75,45.87 105.49,49.13 105.49,74.2 102.27,77.42 91.05,77.42 87.58,73.95 69.86,73.95 v3(68.5,75.31) ; R199.1 v3(69.55,79.17) ; U1.T18 49.45,70.76 v3(49.77,71.08) ; v1(128.13,21.18) v1(128.13,43.59)
  ART03 w0.102: v3(49.77,71.08) 50.04,70.82 50.04,70.57 49.73,70.27 49.73,67.72 49.97,67.48 51.01,67.48 52.73,65.75 57.78,65.75 61.78,69.75 63.7,69.75 68.66,74.7 68.66,75.13 68.55,75.23 68.55,75.26 v3(68.5,75.31) 69.55,76.35 v3(69.55,79.17)
  BOTTOM w0.102: U2.5 v1(128.13,21.18) ; v1(128.13,43.59) 128.13,45.83 v1(128.09,45.87)
I2C2_SDA_A: length 79
  TOP w0.203: v1(130.9,21.16) 130.23,20.49 v1(124.65,20.49) ; U28.5 v1(102.9,78.25)
  BOTTOM w0.152: R12.1 129.63,20.83 R242.2
  BOTTOM w0.203: v1(130.9,21.16) 129.96,21.16 R12.1 ; v1(102.9,78.25) 103.41,78.25 104.72,76.94 104.72,48.41 124.65,28.49 v1(124.65,20.49)
I2C3_SCL: length 134.6
  TOP w0.102: U1.B14 58.54,73.36 58.85,73.05 62.81,73.05 63.58,73.81 63.8,73.81 R67.1 64.54,74.04 67.62,74.04 68.72,72.94 88.72,72.94 91.94,76.15 101.03,76.15 103.96,73.22 103.96,47.7 107.31,44.35 128.22,44.35 131.52,41.05 v1(131.52,13.33)
  BOTTOM w0.102: R229.2 129.63,13.28 131.47,13.28 v1(131.52,13.33)
I2C3_SDA: length 137.7
  TOP w0.102: v1(131.98,10.86) 132.03,10.91 132.03,41.3 128.47,44.86 107.7,44.86 104.62,47.93 104.62,73.13 101.19,76.56 91.64,76.56 88.33,73.24 68.85,73.24 67.74,74.35 64.57,74.35 64.08,74.83 R69.1 62.59,73.36 U1.A14
  BOTTOM w0.102: v1(131.98,10.86) 131.88,10.76 R226.2
I2C7_SCL: length 2.4
  TOP w0.102: U1.H18 54.33,70.45 v3(54.32,70.43)
  BOTTOM w0.102: v3(54.32,70.43) 54.69,70.07 54.69,69.44 R195.1
I2C7_SDA: length 2
  TOP w0.102: U1.G19 54.98,70.42 v3(54.97,70.43)
  BOTTOM w0.102: v3(54.97,70.43) 55.02,70.39 R197.1
IO_IN_GND1: length 45.4
  TOP w0.508: J5.1 146.76,42.48 146.76,17.93 140.89,12.06 U18.2
IO_IN_GND2: length 34.4
  TOP w0.508: J5.3 145.49,36.13 145.49,18.82 141.27,14.6 U18.4
IO_IN_GND3: length 23.4
  TOP w0.508: U18.6 141.66,17.14 144.22,19.71 144.22,29.78 J5.5
IO_IN_GND4: length 9.1
  TOP w0.508: U18.8 137.53,19.68 J5.7
JTAG_TCK/SPI1_SDO: length 67.9
  TOP w0.127: v1(84.26,44.79) 84.26,43.17 83.15,42.06 75.88,42.06 73.18,39.36 73.18,34.26 J34.4
  ART03 w0.127: v1(65.85,70.49) 83.07,70.49 84.91,68.65 84.91,59.46 84.26,58.81 v1(84.26,44.79)
  BOTTOM w0.127: R239.1 65.45,70.89 v1(65.85,70.49)
JTAG_TDO/SPI1_SDI: length 73.5
  TOP w0.102: U1.F18 v3(56.27,71.08) ; 85.8,42.79 83.8,40.79 77.44,40.79 75.58,38.93 J34.6
  TOP w0.127: 85.8,42.79 85.8,44.76 v1(85.79,44.78)
  ART03 w0.127: v1(85.79,44.78) 85.79,58.18 86.43,58.83 86.43,70.58 85.35,71.67 v1(68.07,71.67)
  BOTTOM w0.127: v1(68.07,71.67) 67.87,71.87 60.62,71.87 59.64,70.89 56.46,70.89 v3(56.27,71.08)
JTAG_TMS/SPI1_CSN0: length 77.5
  TOP w0.102: U1.G18 55.62,70.43 v3(56.27,70.43)
  TOP w0.127: J34.5 74.61,34.41 73.98,35.04 73.98,38.66 76.74,41.43 83.64,41.43 85.03,42.81 85.03,44.79 v1(85.02,44.79)
  ART03 w0.127: v1(66.42,71.16) 84.23,71.16 85.67,69.73 85.67,59.15 85.02,58.5 v1(85.02,44.79)
  BOTTOM w0.127: v3(56.27,70.43) 56.87,70.43 57.25,70.05 58.34,70.05 58.83,70.54 59.92,70.54 60.95,71.56 64.81,71.56 64.84,71.54 66.04,71.54 v1(66.42,71.16)
JTAG_TRSTN/SPI1_SCLK: length 69.6
  TOP w0.127: v1(83.5,44.81) 83.49,44.8 83.49,43.62 82.57,42.7 75.41,42.7 71.95,39.24 71.95,32.95 J34.3
  ART03 w0.127: v1(66.38,70) 82.03,70 84.15,67.88 84.15,59.78 83.5,59.13 v1(83.5,44.81)
  BOTTOM w0.127: 65,70.13 R238.1 v1(66.38,70)
LED0: length 1.4
  TOP w0.102: D32.C R280.2
LED0_ACT: length 3
  TOP w0.102: v3(69.8,58.83) 69.52,59.11 U6.24
  BOTTOM w0.102: v3(69.8,58.83) 70.23,58.83 70.56,59.16 R60.1
LED1: length 1.4
  TOP w0.102: D31.C R279.2
LED1_LINK: length 2.2
  TOP w0.102: U6.25 70.66,60.51 71.2,59.97 71.2,59.69 R59.1
LED2: length 100.5
  TOP w0.102: R278.2 v2(77.58,48.1) D30.C ; v1(21.15,17.6) 17.79,17.6 16.18,19.2 4.63,19.2 J31.2 ; v1(69.14,23.52) 69.14,38.49 73.48,42.84 v1(74.12,42.84)
  ART03 w0.102: v2(77.58,48.1) 76.66,48.1 75.94,47.38 75.17,47.38 74.12,46.33 v1(74.12,42.84)
  BOTTOM w0.102: v1(21.15,17.6) 28.13,24.59 68.07,24.59 v1(69.14,23.52)
LED3: length 1.4
  TOP w0.102: D29.C R277.2
LED4: length 1.4
  TOP w0.102: D28.C 78.3,45.63 R276.2
LED5: length 1.4
  TOP w0.102: R275.2 D27.C
LED6: length 1.4
  TOP w0.102: R274.2 D26.C
LED7: length 1.4
  TOP w0.102: R273.2 D25.C
LINE_09OUT_IPCIN: length 2.3
  BOTTOM w0.254: R139.2 39.2,36.18 U12.1
LINE_FEEDBACK: length 6.7
  TOP w0.508: v2(22.8,36.18) 22.77,36.14 R152.2 19.2,36.13 R156.2
  BOTTOM w0.508: U12.12 v2(22.8,36.18)
LINE_IN-IPC: length 162.5
  TOP w0.254: v1(9.4,105.08) 14.73,105.08 v1(22.02,97.79) ; J12.7 v1(2.77,107.48)
  TOP w0.508: R1.1 27.23,7.4 v1(27.54,7.4)
  ART03 w0.254: v1(2.77,107.48) 5.17,107.48 7.57,105.08 v1(9.4,105.08) ; v1(40.15,37.82) 31.57,46.4 31.57,58.27 35.38,62.08 35.38,64.54 27.3,72.62 23.29,72.62 20.52,75.39 20.52,83.01 24.21,86.69 24.21,95.61 v1(22.02,97.79)
  BOTTOM w0.508: v1(40.15,37.82) C88.2 R139.1 40.15,27.75 38.89,26.48 20.23,26.48 17.77,24.02 17.77,16.66 19.15,15.28 23.38,15.28 23.99,14.67 23.99,7.76 24.35,7.4 v1(27.54,7.4)
